# Altium PCB UZ_A_MAX11331_Daughter.PcbDoc (part 2 of 7) (continued)
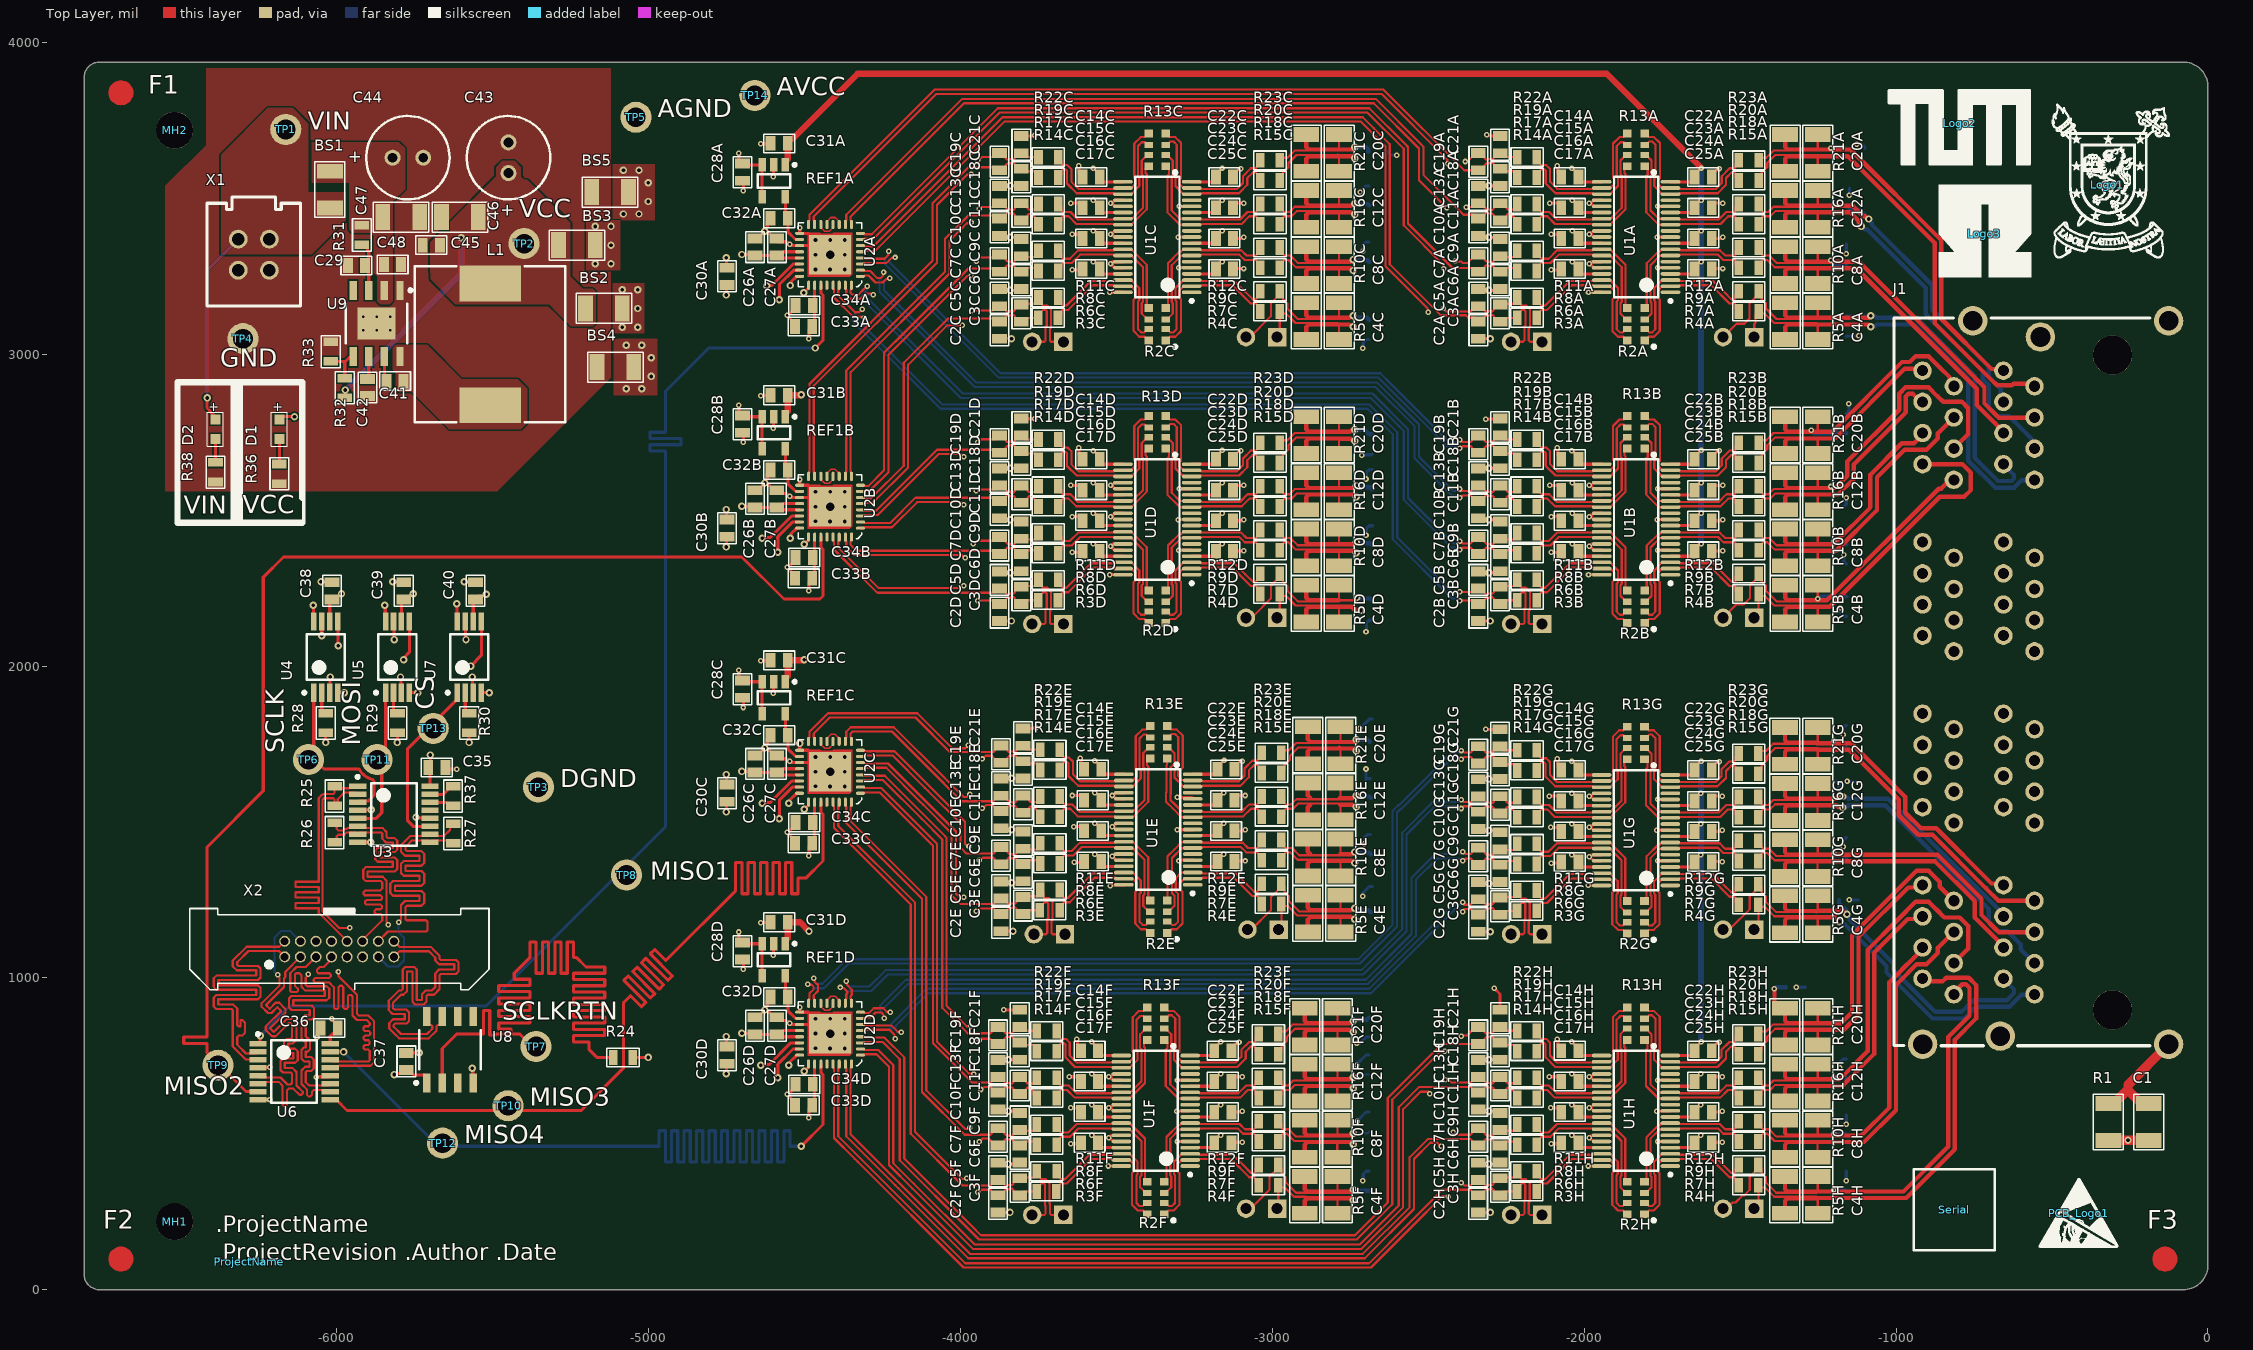
[diagram p0: Top Layer view]
## Part data
BS1 BS2 BS3 BS4 BS5: library part Bead, "6A", MPN=742792121, Package=1206, Supplier Part Number 1=732-4654-1-ND, DCR=60mOhm, I_r=3A, MF="Würth Elektronik", Supplier 1=Digikey
C1: library part Cap_1206, "Capacitor", Dielectricum=X7R, MPN=885342208017, Package=1206, Supplier Part Number 1=732-12097-1-ND, Tolerance=10%, Voltage=1000V, MF="Würth Elektronik", Supplier 1=Digikey
C2A C2B C2C C2D C2E C2F C2G C2H C5A C5B C5C C5D C5E C5F C5G C5H C6A C6B C6C C6D C6E C6F C6G C6H C9A C9B C9C C9D C9E C9F C9G C9H C10A C10B C10C C10D C10E C10F C10G C10H C13A C13B C13C C13D C13E C13F C13G C13H C18A C18B C18C C18D C18E C18F C18G C18H C21A C21B C21C C21D C21E C21F C21G C21H: library part Cap_0603, "Capacitor", Dielectricum=CG0, MPN=0603N201J500CT, Package=0603, Supplier Part Number 1=1292-1499-1-ND, Tolerance=5%, Voltage=16V, LatestRevisionDate=17-Jul-2002, LatestRevisionNote="Re-released for DXP Platform.", MF=Walsin, PackageReference=RAD-0.3, Published=8-Jun-2000, Publisher="Altium Limited", Rule=PcbType=ProtelPcb, Supplier 1=Digikey
C3A C3B C3C C3D C3E C3F C3G C3H C7A C7B C7C C7D C7E C7F C7G C7H C11A C11B C11C C11D C11E C11F C11G C11H C19A C19B C19C C19D C19E C19F C19G C19H: library part Cap_0603, "Capacitor", Dielectricum=CG0, MPN=885012006023, Package=0603, Supplier Part Number 1=732-7766-1-ND, Tolerance=5%, Voltage=16V, LatestRevisionDate=17-Jul-2002, LatestRevisionNote="Re-released for DXP Platform.", MF="Würth Elektronik", PackageReference=RAD-0.3, Published=8-Jun-2000, Publisher="Altium Limited", Rule=PcbType=ProtelPcb, Supplier 1=Digikey
C4A C4B C4C C4D C4E C4F C4G C4H C8A C8B C8C C8D C8E C8F C8G C8H C12A C12B C12C C12D C12E C12F C12G C12H C20A C20B C20C C20D C20E C20F C20G C20H: library part Cap_1206, "Capacitor", Dielectricum=X7R, MPN=C1206C104K3RACTU, Package=1206, Supplier Part Number 1=399-8140-1-ND, Tolerance=10%, Voltage=16V, MF=KEMET, Supplier 1=Digikey
C14A C14B C14C C14D C14E C14F C14G C14H C15A C15B C15C C15D C15E C15F C15G C15H C16A C16B C16C C16D C16E C16F C16G C16H C17A C17B C17C C17D C17E C17F C17G C17H C22A C22B C22C C22D C22E C22F C22G C22H C23A C23B C23C C23D C23E C23F C23G C23H C24A C24B C24C C24D C24E C24F C24G C24H C25A C25B C25C C25D C25E C25F C25G C25H C27A C27B C27C C27D C28A C28B C28C C28D C30A C30B C30C C30D C34A C34B C34C C34D C35 C36 C37 C38 C39 C40 C41 C45 C48: library part Cap_0603, "Capacitor", Dielectricum=X7R, MPN=C0603C104M5RACTU, Package=0603, Supplier Part Number 1=399-7845-1-ND, Tolerance=10%, Voltage=35V, LatestRevisionDate=17-Jul-2002, LatestRevisionNote="Re-released for DXP Platform.", MF=KEMET, PackageReference=RAD-0.3, Published=8-Jun-2000, Publisher="Altium Limited", Rule=PcbType=ProtelPcb, Supplier 1=Digikey
  C41: Supplier 2=Mouser
C26A C26B C26C C26D C33A C33B C33C C33D: library part Cap_0603, "Capacitor Ceramic", Dielectricum=X7R, MPN=JMK107ABJ106MA-T, Package=0603, Supplier Part Number 1=587-5869-1-ND, Tolerance=10%, Voltage=6.3V, MF="Tayo Yuden", Supplier 1=Digikey
C29 C42: library part Cap_0603, "Capacitor Ceramic", Dielectricum=X7R, MPN=C0603C105K3RACTU, Package=0603, Supplier Part Number 1=399-7376-1-ND, Tolerance=10%, Voltage="50 V", MF=KEMET, Supplier 1=Digikey
C31A C31B C31C C31D C32A C32B C32C C32D: library part Cap_0603, "Capacitor Ceramic", Dielectricum=X7R, MPN=885012206006, Package=0603, Supplier Part Number 1=732-7925-1-ND, Tolerance=10%, Voltage=10V, MF="Würth Elektronik", Supplier 1=Digikey
C43 C44: library part 860010573006, "WCAP-ATG8 THT Aluminum Electrolytic Capacitors, D6.3mm x L11mm, 68uF, +/-20%, 35VDC", Leakage Current=23.8uA, Operating Temperature="-40 to +85degC", Ripple Current max.=198mA, Supplier Part Number 1=732-8736-1-ND, Tolerance=+/-20%, Voltage=35V, ComponentLink1Description=Manufacturer, ComponentLink1URL=http://www.we-online.de, ComponentLink2Description=Datasheet, ComponentLink2URL=https://katalog.we-online.com/pbs/datasheet/860010573006.pdf, Diameter=6.3mm, Dissipation Factor=12%, Endurance=2000h, Length=11mm, Mounting Technology=THT, Packaging="Ammo Pack", Part Number=860010573006, Published Date="August 2019", Publisher="Wurth Elektronik", Supplier 1=Digikey, Technical Reference=ATBD110680M035DSPA4B000
C46 C47: library part Cap_1206, "Capacitor", Dielectricum=X7R, MPN=GRM319R6YA106KA12D, Package=1206, Supplier Part Number 1=490-9964-1-ND, Tolerance=10%, Voltage="35 V", Supplier 1=Digikey
D1: library part 150060VS75000, "WL-SMCW SMT Mono-color Chip LED Waterclear, size 0603, Bright Green, 2V, 140deg", Emitting Color="Bright Green", Forward Voltage typ.=2V, Operating Temperature="-40 to +85degC", Package=0603, Supplier Part Number 1=732-4980-1-ND, Chip Technology=AlInGaP, ComponentLink1Description=Manufacturer, ComponentLink1URL=http://www.we-online.de, ComponentLink2Description=Datasheet, ComponentLink2URL=https://www.we-online.com/catalog/datasheet/150060VS75000.pdf, Dominant Wavelength typ.=570nm, Luminous Intensity typ.=40mcd, MF="Wurth Elektronik", Mounting Technology=SMT, MPN=150060VS75000, Packaging="Tape and Reel", Peak Wavelength typ.=572nm, Published Date="December 2019", Size=0603, Supplier 1=Digikey, Viewing Angle=140deg
D2: library part 150060BS75000, "WL-SMCW SMT Mono-color Chip LED Waterclear, size 0603, Blue, 3.2V, 140deg", Emitting Color=Blue, Forward Voltage typ.=3.2V, Operating Temperature="-40 to +85degC", Package=0603, Supplier Part Number 1=732-4966-1-ND, Chip Technology=InGaN, ComponentLink1Description=Manufacturer, ComponentLink1URL=http://www.we-online.de, ComponentLink2Description=Datasheet, ComponentLink2URL=https://www.we-online.com/catalog/datasheet/150060BS75000.pdf, Dominant Wavelength typ.=470nm, Luminous Intensity typ.=145mcd, MF="Wurth Elektronik", Mounting Technology=SMT, MPN=150060BS75000, Packaging="Tape and Reel", Peak Wavelength typ.=465nm, Published Date="December 2019", Size=0603, Supplier 1=Digikey, Viewing Angle=140deg
F1 F2 F3: "Fiducial for Assembler"
J1: Manufacturer Part-Number=1-1734715-2, Supplier Part Number 1=A118195-ND, Digikey Part-Number=A118195-ND, MF="TE Connectivity", MPN=1-1734715-2, Supplier 1=Digikey
L1: library part B82464G4154M, "SMT power Inductor, 15uH, 40m DRC", Manufacturer=Murata, Rated Current="3.7 A", Supplier Part Number 1=811-3837-1-ND, DCR=40m, Supplier 1=Digikey, Supplier 2=Mouser
P1A P1B P1C P1D P1E P1F P1G P1H P2A P2B P2C P2D P2E P2F P2G P2H: library part "Header 2", "Header, 2-Pin", LatestRevisionDate=17-Jul-2002, LatestRevisionNote="Re-released for DXP Platform.", Publisher="Altium Limited"
PCB_Logo1: library part LOGO_ESD_Susceptible, "ESD Susceptible Symbol", Created=2018_11_25_AGeiger
ProjectName: "Project Name and Revision Number", Created=2018_11_23_AGeiger
R1: library part Res1206, "Resistor", MPN=RC1206FR-071ML, Package=1206, Supplier Part Number 1=311-1.00MFRCT-ND, Tolerance=1%, MF=Yageo, Supplier 1=Digikey
R2A R2B R2C R2D R2E R2F R2G R2H R13A R13B R13C R13D R13E R13F R13G R13H: library part "ResArray 1206", "Chip Resistor Array 0606, 4xR", MPN=ACASA1002S1002P100, Supplier Part Number 1=749-1023-1-ND, Created=Kreppel_0420, MF=Vishay, Supplier 1=Digikey
R3A R3B R3C R3D R3E R3F R3G R3H R6A R6B R6C R6D R6E R6F R6G R6H R8A R8B R8C R8D R8E R8F R8G R8H R11A R11B R11C R11D R11E R11F R11G R11H R14A R14B R14C R14D R14E R14F R14G R14H R17A R17B R17C R17D R17E R17F R17G R17H R19A R19B R19C R19D R19E R19F R19G R19H R22A R22B R22C R22D R22E R22F R22G R22H: library part Res0603, MPN=ERA-3AEB48R7V, Package=0603, Supplier Part Number 1=P48.7DBCT-ND, Tolerance=0.1%, LatestRevisionDate=17-Jul-2002, LatestRevisionNote="Re-released for DXP Platform.", MF=Panasonic, PackageDescription="Axial Device, Thru-Hole; 2 Leads; 0.3 in Pin Spacing", PackageReference=AXIAL-0.3, Published=8-Jun-2000, Publisher="Altium Limited", Supplier 1=Digikey
R4A R4B R4C R4D R4E R4F R4G R4H R7A R7B R7C R7D R7E R7F R7G R7H R9A R9B R9C R9D R9E R9F R9G R9H R12A R12B R12C R12D R12E R12F R12G R12H R15A R15B R15C R15D R15E R15F R15G R15H R18A R18B R18C R18D R18E R18F R18G R18H R20A R20B R20C R20D R20E R20F R20G R20H R23A R23B R23C R23D R23E R23F R23G R23H: library part Res0603, MPN=ERJ-PB3B2432V, Package=0603, Supplier Part Number 1=P20128CT-ND, Tolerance=0.1%, LatestRevisionDate=17-Jul-2002, LatestRevisionNote="Re-released for DXP Platform.", MF=Panasonic, PackageDescription="Axial Device, Thru-Hole; 2 Leads; 0.3 in Pin Spacing", PackageReference=AXIAL-0.3, Published=8-Jun-2000, Publisher="Altium Limited", Supplier 1=Digikey
R5A R5B R5C R5D R5E R5F R5G R5H R10A R10B R10C R10D R10E R10F R10G R10H R16A R16B R16C R16D R16E R16F R16G R16H R21A R21B R21C R21D R21E R21F R21G R21H: library part "Res Semi", "Limiter Resistor", MPN=RC1206FR-07160RL, Package=1206, Supplier Part Number 1=311-160FRCT-ND, Tolerance=0.1%, LatestRevisionDate=17-Jul-2002, LatestRevisionNote="Re-released for DXP Platform.", MF=Yageo, PackageDescription="Axial Device, Thru-Hole; 2 Leads; 0.5 in Pin Spacing", PackageReference=AXIAL-0.5, Published=8-Jun-2000, Publisher="Altium Limited", Supplier 1=Digikey
R24: library part Res0603, Package=0603, Supplier Part Number 1=311-0.0GRCT-ND, Tolerance=1%, LatestRevisionDate=17-Jul-2002, LatestRevisionNote="Re-released for DXP Platform.", PackageDescription="Axial Device, Thru-Hole; 2 Leads; 0.3 in Pin Spacing", PackageReference=AXIAL-0.3, Published=8-Jun-2000, Publisher="Altium Limited", Supplier 1=Digikey
R25 R26 R27 R37: library part Res0603, MPN=RC0603FR-07100RL, Package=0603, Supplier Part Number 1=311-100HRCT-ND, Tolerance=1%, LatestRevisionDate=17-Jul-2002, LatestRevisionNote="Re-released for DXP Platform.", MF=Yageo, PackageDescription="Axial Device, Thru-Hole; 2 Leads; 0.3 in Pin Spacing", PackageReference=AXIAL-0.3, Published=8-Jun-2000, Publisher="Altium Limited", Supplier 1=Digikey
R28 R29 R30: library part Res0603, MPN=RC0603FR-0710KL, Package=0603, Supplier Part Number 1=311-10.0KHRCT-ND, Tolerance=1%, LatestRevisionDate=17-Jul-2002, LatestRevisionNote="Re-released for DXP Platform.", MF=Yageo, PackageDescription="Axial Device, Thru-Hole; 2 Leads; 0.3 in Pin Spacing", PackageReference=AXIAL-0.3, Published=8-Jun-2000, Publisher="Altium Limited", Supplier 1=Digikey
  R29 R30: Digikey Part-Number=311-10.0KHRCT-ND
R31: library part Res0603, MPN=RC0603FR-072M2L, Package=0603, Supplier Part Number 1=YAG3329CT-ND, Tolerance=1%, LatestRevisionDate=17-Jul-2002, LatestRevisionNote="Re-released for DXP Platform.", MF=Yageo, PackageDescription="Axial Device, Thru-Hole; 2 Leads; 0.3 in Pin Spacing", PackageReference=AXIAL-0.3, Published=8-Jun-2000, Publisher="Altium Limited", Supplier 1=Digikey
R32: library part Res0603, MPN=RC0603FR-07100KL, Package=0603, Supplier Part Number 1=311-100KHRCT-ND, Tolerance=1%, LatestRevisionDate=17-Jul-2002, LatestRevisionNote="Re-released for DXP Platform.", MF=Yageo, PackageDescription="Axial Device, Thru-Hole; 2 Leads; 0.3 in Pin Spacing", PackageReference=AXIAL-0.3, Published=8-Jun-2000, Publisher="Altium Limited", Supplier 1=Digikey
R33: library part Res0603, Package=0603, Supplier Part Number 1=311-38.3KHRCT-ND, Tolerance=1%, LatestRevisionDate=17-Jul-2002, LatestRevisionNote="Re-released for DXP Platform.", PackageDescription="Axial Device, Thru-Hole; 2 Leads; 0.3 in Pin Spacing", PackageReference=AXIAL-0.3, Published=8-Jun-2000, Publisher="Altium Limited", Supplier 1=Digikey, Supplier 2=Mouser
R36: library part Res0603, Manufacturer Part-Number=RC0603JR-07220RL, Package=0603, Supplier Part Number 1=311-220GRCT-ND, Tolerance=1%, LatestRevisionDate=17-Jul-2002, LatestRevisionNote="Re-released for DXP Platform.", PackageDescription="Axial Device, Thru-Hole; 2 Leads; 0.3 in Pin Spacing", PackageReference=AXIAL-0.3, Published=8-Jun-2000, Publisher="Altium Limited", Supplier 1=Digikey, Supplier 2=Mouser
R38: library part Res0603, MPN=RC0603FR-07330RL, Package=0603, Supplier Part Number 1=311-330HRCT-ND, Tolerance=1%, LatestRevisionDate=17-Jul-2002, LatestRevisionNote="Re-released for DXP Platform.", MF=Yageo, PackageDescription="Axial Device, Thru-Hole; 2 Leads; 0.3 in Pin Spacing", PackageReference=AXIAL-0.3, Published=8-Jun-2000, Publisher="Altium Limited", Supplier 1=Digikey
R39A R39B R39C R39D R39E R39F R39G R39H R40A R40B R40C R40D R40E R40F R40G R40H R41A R41B R41C R41D R41E R41F R41G R41H R42A R42B R42C R42D R42E R42F R42G R42H: library part Res0603, MPN=RC0603JR-070RL, Package=0603, Supplier Part Number 1=311-0.0GRCT-ND, Tolerance=1%, LatestRevisionDate=17-Jul-2002, LatestRevisionNote="Re-released for DXP Platform.", MF=Yageo, PackageDescription="Axial Device, Thru-Hole; 2 Leads; 0.3 in Pin Spacing", PackageReference=AXIAL-0.3, Published=8-Jun-2000, Publisher="Altium Limited", Supplier 1=Digikey, Supplier 2=Mouser
REF1A REF1B REF1C REF1D: MPN=REF2033AIDDCT, Supplier Part Number 1=296-40487-1-ND, MF="Texas Instruments", Supplier 1=Digikey
TP1 TP2 TP3 TP4 TP5 TP6 TP7 TP8 TP9 TP10 TP11 TP12 TP13 TP14: library part TP, "1.6mm Test Point Keystone", MPN=5006, Supplier Part Number 1=36-5006-ND, Created=2020_04_Kreppel, MF="Keystone Electronics", Supplier 1=Digikey
U1A U1B U1C U1D U1E U1F U1G U1H: library part THS4524_1, "Quad Channel fully differential Amplilfier", Package=TSSOP-38, Supplier Part Number 1=296-24315-1-ND, Created=20190720_Kreppel, MF="Texas Instruments", MPN=THS4524, Supplier 1=Digikey
U2A U2B U2C U2D: "ADC 12 bits SPI", MPN=MAX11331ATJ+, Supplier Part Number 1=MAX11331ATJ+-ND, MF="Maximm Integrated", Supplier 1=Digikey
U3: library part ADN4666, "3V, LVDS, quad, CMOS Differential Line Receiver", MPN=ADN4666ARUZ, Supplier Part Number 1=ADN4666ARUZ-ND, Created=2020_05_Kreppel, MF="Analog Devices", Supplier 1=Digikey
U4 U5 U7: library part CDCV304, "1:4 200MHz LVCMOS clock buffer, general-purpose, PCI-X Compliant", MPN=CDCV304PWRG4, Supplier Part Number 1=296-35899-1-ND, Created=2020_05_Kreppel, MF="Texas Instruments", Supplier 1=Digikey
U6: library part ADN4665, "3V, LVDS, Quad, CMOS Differential Line Driver", MPN=ADN4665ARUZ, Supplier Part Number 1=ADN4665ARUZ-ND, Created=2020_05_Kreppel, MF="Analog Devices", Supplier 1=Digikey
U8: library part ADN4661, "Single, 3V, CMOS, LVDS High Speed differential driver", MPN=ADN4661BRZ, Supplier Part Number 1=ADN4661BRZ-ND, Created=2020_05_Kreppel, MF="Analog Devices", Supplier 1=Digikey
U9: library part LMR33620A, "3.8V to 36V, 2A synchronous step-down converter", Manufacturer="Texas Instruments", Manufacturer Part-Number=LMR33620ADDA, Supplier Part Number 1=296-48841-ND, Switching frequency=400kHz, Created="4/20 Kreppel", Supplier 1=Digikey, Supplier 2=Mouser
X1: library part IPL1-102-XX-X-D-X, "2.54mm Double Row Terminal Assembly, Right-Angled", Manufacturer=SAMTEC, Supplier Part Number 1=SAM10565-ND, Created=2018_05_02_AGeiger, MF=Samtec, MPN=IPL1-102-01-L-D-K, Supplier 1=Digikey
X2: library part EHF-108-01-F-D, "Dual Row, 2x8 Shrouded IDC Header with Ejectors 50 mil pitch", Supplier Part Number 1=SAM9265-ND, Created=2020_05_Kreppel, MF=Samtec, MPN=EHF-108-01-F-D, Supplier 1=Digikey
Serial: Created=2018_09_18_AGeiger

## Via types
v1: diameter 17.72, hole 7.87, Top Layer to Bottom Layer, tented both sides, 359 vias
v2: diameter 23.62, hole 11.81, Top Layer to Bottom Layer, tented both sides, 171 vias
v3: diameter 27.56, hole 11.81, Top Layer to Bottom Layer, tented bottom, 32 vias
v4: diameter 19.68, hole 7.87, Top Layer to Bottom Layer, tented bottom, 6 vias
v5: diameter 51.18, hole 27.56, Top Layer to Bottom Layer, 4 vias

## Nets (pads, with @x,y where several pads share a name; then routed paths per layer and width w, separated by ;. In a path a pad name is that pad's centre, name@x,y a point inside that pad or via, vN(x,y) a via of type N, cw(c..) or ccw(c..) an arc to the next point about the centre after c; other vN are vias at no path point)
ADC_IN1A_N: C18A.2 C19A.1 R19A.1 U2A.16 | length 2614.9
  Top Layer w7: U2A.16@-4487.76,3416.34 -4487.76,3426.95 -4484.92,3429.79 -4484.92,3447.4 -4083.32,3849 -2644.2,3849 -2385.08,3589.88 C19A.1@-2339.81,3589.88 -2331.94,3589.88 -2319.69,3602.13 -2319.69,3606.34 -2315.59,3610.44 -2314.63,3610.44 -2312.63,3612.44 -2305.23,3612.44 -2303.93,3613.74 -2294.03,3613.74 -2289.93,3609.64 -2289.93,3607.17 -2277.68,3594.92 C18A.2@-2269.81,3594.92 -2262.06,3587.17 -2225.09,3587.17 -2214.81,3576.89 R19A.1@-2214.81,3567.05
ADC_IN1A_P: C19A.2 C21A.1 R22A.1 U2A.15 | length 2584.8
  Top Layer w7: U2A.15@-4468.08,3416.34 -4468.08,3426.95 -4470.92,3429.79 -4470.92,3441.6 -4077.52,3835 -2650,3835 -2439.19,3624.19 -2439.19,3612.37 v1(-2438.41,3611.59) ; v1(-2381.79,3618.21) -2379.74,3620.26 -2372.42,3620.26 -2347.68,3645 C19A.2@-2339.81,3645 -2331.94,3645 -2319.69,3632.75 -2319.69,3628.54 -2315.59,3624.44 -2310.2,3624.44 -2308.9,3625.74 -2294.03,3625.74 -2289.93,3629.84 -2289.93,3632.32 -2277.68,3644.57 C21A.1@-2269.81,3644.57 -2257.56,3632.32 -2215.08,3632.32 R22A.1@-2214.81,3632.05
  Signal 1 w7: v1(-2438.41,3611.59) -2435.51,3611.59 -2428.89,3618.21 v1(-2381.79,3618.21)
ADC_IN1B_N: C18B.2 C19B.1 R19B.1 U2A.4 | length 2482.5
  Top Layer w7: U2A.4@-4321.42,3309.06 -4310.81,3309.06 -4307.97,3306.21 -4244.09,3306.21 -4232.05,3318.25 -4232.05,3327.95 v1(-4230,3330) ; v1@-2402.05,2700.12 v1(-2400,2698.07) -2397.1,2698.07 -2390.24,2704.93 -2364.03,2704.93 -2359.93,2700.83 -2359.93,2696.62 -2347.68,2684.37 C19B.1@-2339.81,2684.37 -2331.94,2684.37 -2319.69,2696.62 -2319.69,2700.83 -2315.59,2704.93 -2314.63,2704.93 -2312.63,2706.93 -2305.23,2706.93 -2303.93,2708.23 -2294.03,2708.23 -2289.93,2704.13 -2289.93,2701.66 -2277.68,2689.41 C18B.2@-2269.81,2689.41 -2262.06,2681.66 -2225.09,2681.66 -2214.81,2671.38 R19B.1@-2214.81,2661.54
  Bottom Layer w7: v1(-4230,3330) -4232.05,3327.95 -4232.05,3318.25 -4242.94,3307.36 -4242.94,3289.96 -3877.97,2925 -2659.8,2925 -2439.73,2704.93 -2409.76,2704.93 -2402.9,2698.07 v1(-2400,2698.07)
ADC_IN1B_P: C19B.2 C21B.1 R22B.1 U2A.3 | length 2443.4
  Top Layer w7: U2A.3@-4321.42,3289.37 -4310.81,3289.37 -4307.97,3292.21 -4238.29,3292.21 -4222.15,3308.35 -4212.45,3308.35 v1(-4210.4,3310.4) ; v1(-2400,2725.79) -2397.1,2725.79 -2390.24,2718.93 -2364.03,2718.93 -2359.93,2723.03 -2359.93,2727.24 -2347.68,2739.49 C19B.2@-2339.81,2739.49 -2331.94,2739.49 -2319.69,2727.24 -2319.69,2723.03 -2315.59,2718.93 -2310.2,2718.93 -2308.9,2720.23 -2294.03,2720.23 -2289.93,2724.33 -2289.93,2726.81 -2277.68,2739.06 C21B.1@-2269.81,2739.06 -2257.56,2726.81 -2215.08,2726.81 R22B.1@-2214.81,2726.54
  Bottom Layer w7: v1(-4210.4,3310.4) -4212.45,3308.35 -4222.15,3308.35 -4228.94,3301.56 -4228.94,3295.76 -3872.18,2939 -2654,2939 -2619.95,2904.95 -2615,2900 -2433.93,2718.93 -2409.76,2718.93 -2402.9,2725.79 v1(-2400,2725.79)
ADC_IN1C_N: C18C.2 C19C.1 R19C.1 U2B.16 | length 1463.2
  Top Layer w7: U2B.16@-4487.76,2608.54 -4487.76,2619.16 -4484.92,2622 -4484.92,2904.88 -4090,3299.8 -4090,3484.8 -3974.8,3600 -3857.25,3600 -3855.12,3602.13 -3855.12,3606.34 -3851.02,3610.44 -3850.06,3610.44 -3848.06,3612.44 -3840.67,3612.44 -3839.36,3613.74 -3829.46,3613.74 -3825.36,3609.64 -3825.36,3607.17 -3813.12,3594.92 C18C.2@-3805.24,3594.92 -3797.49,3587.17 -3760.52,3587.17 -3750.24,3576.89 R19C.1@-3750.24,3567.05
ADC_IN1C_P: C19C.2 C21C.1 R22C.1 U2B.15 | length 1469.9
  Top Layer w7: U2B.15@-4468.08,2608.54 -4468.08,2619.16 -4470.92,2622 -4470.92,2899.08 -4076,3294 -4076,3479 -3979.41,3575.59 -3967.59,3575.59 v1(-3965.54,3577.64) ; v1(-3945,3622.36) -3942.1,3622.36 -3931.71,3632.75 -3887.49,3632.75 C19C.2@-3875.24,3645 -3867.37,3645 -3855.12,3632.75 -3855.12,3628.54 -3851.02,3624.44 -3845.64,3624.44 -3844.33,3625.74 -3829.46,3625.74 -3825.36,3629.84 -3825.36,3632.32 -3813.12,3644.57 C21C.1@-3805.24,3644.57 -3792.99,3632.32 -3750.51,3632.32 R22C.1@-3750.24,3632.05
  Signal 1 w7: v1(-3965.54,3577.64) -3965.54,3601.82 v1(-3945,3622.36)
ADC_IN1D_N: C18D.2 C19D.1 R19D.1 U2B.4 | length 696.3
  Top Layer w7: U2B.4@-4321.42,2501.26 -4310.81,2501.26 -4307.97,2498.42 -4271.58,2498.42 -4076,2694 -3884.87,2694 C19D.1@-3875.24,2684.37 -3867.37,2684.37 -3855.12,2696.62 -3855.12,2700.83 -3851.02,2704.93 -3850.06,2704.93 -3848.06,2706.93 -3840.67,2706.93 -3839.36,2708.23 -3829.46,2708.23 -3825.36,2704.13 -3825.36,2701.66 -3813.12,2689.41 C18D.2@-3805.24,2689.41 -3797.49,2681.66 -3760.52,2681.66 -3750.24,2671.38 R19D.1@-3750.24,2661.54
ADC_IN1D_P: C19D.2 C21D.1 R22D.1 U2B.3 | length 711.8
  Top Layer w7: U2B.3@-4321.42,2481.57 -4310.81,2481.57 -4307.97,2484.42 -4265.78,2484.42 -4070.2,2680 -4000,2680 -3991.64,2671.64 v1(-3990,2671.64) ; v1(-3944.61,2718.57) -3941.71,2718.57 -3933.05,2727.24 -3887.49,2727.24 C19D.2@-3875.24,2739.49 -3867.37,2739.49 -3855.12,2727.24 -3855.12,2723.03 -3851.02,2718.93 -3845.64,2718.93 -3844.33,2720.23 -3829.46,2720.23 -3825.36,2724.33 -3825.36,2726.81 -3813.12,2739.06 C21D.1@-3805.24,2739.06 -3792.99,2726.81 -3750.51,2726.81 R22D.1@-3750.24,2726.54
  Signal 1 w7: v1(-3990,2671.64) -3990,2673.19 v1(-3944.61,2718.57)
ADC_IN1E_N: C18E.2 C19E.1 R19E.1 U2C.16 | length 918.5
  Top Layer w7: U2C.16@-4487.76,1758.54 -4487.76,1769.15 -4484.92,1772 -4484.92,1789.61 -4425.53,1849 -4139.2,1849 -4026.64,1736.44 -3985.36,1736.44 v1(-3975,1746.8) ; v1(-3930,1702.08) -3919.64,1712.44 -3900.67,1712.44 -3878.11,1689.88 -3862.36,1689.88 -3850.11,1702.13 -3850.11,1706.34 -3846.01,1710.44 -3845.05,1710.44 -3843.05,1712.44 -3835.66,1712.44 -3834.36,1713.74 -3824.46,1713.74 -3820.36,1709.64 -3820.36,1707.17 -3808.11,1694.92 C18E.2@-3800.23,1694.92 -3792.48,1687.17 -3755.51,1687.17 -3745.23,1676.89 R19E.1@-3745.23,1667.05
  Signal 1 w7: v1(-3975,1746.8) -3974.86,1746.8 -3930.14,1702.08 v1(-3930,1702.08)
ADC_IN1E_P: C19E.2 C21E.1 R22E.1 U2C.15 | length 856.1
  Top Layer w7: U2C.15@-4468.08,1758.54 -4468.08,1769.15 -4470.92,1772 -4470.92,1783.81 -4419.73,1835 -4145,1835 -4034.44,1724.44 -3894.46,1724.44 -3890.36,1728.54 -3890.36,1732.75 -3878.11,1745 C19E.2@-3870.23,1745 -3862.36,1745 -3850.11,1732.75 -3850.11,1728.54 -3846.01,1724.44 -3840.63,1724.44 -3839.33,1725.74 -3824.46,1725.74 -3820.36,1729.84 -3820.36,1732.32 -3808.11,1744.57 C21E.1@-3800.23,1744.57 -3787.99,1732.32 -3745.51,1732.32 R22E.1@-3745.23,1732.05
ADC_IN1F_N: C18F.2 C19F.1 R19F.1 U2C.4 | length 1292.8
  Top Layer w7: U2C.4@-4321.42,1651.26 -4310.81,1651.26 -4307.97,1648.42 -4243.62,1648.42 -4049.1,1453.9 -4045,1449.8 -4045,909.8 -3980.2,845 -3968.38,845 v1(-3968.13,844.75) ; v1(-3940,800.04) -3937.1,800.04 -3932.14,805 -3905.32,805 -3888.16,787.84 -3872.41,787.84 -3860.16,800.08 -3860.16,804.29 -3856.06,808.39 -3855.1,808.39 -3853.1,810.39 -3845.71,810.39 -3844.4,811.7 -3834.5,811.7 -3830.4,807.6 -3830.4,805.12 -3818.16,792.87 C18F.2@-3810.28,792.87 -3802.53,785.12 -3765.56,785.12 -3755.28,774.84 R19F.1@-3755.28,765
  Signal 1 w7: v1(-3968.13,844.75) -3942.05,818.67 -3942.05,802.09 v1(-3940,800.04)
ADC_IN1F_P: C19F.2 C21F.1 R22F.1 U2C.3 | length 1256.9
  Top Layer w7: U2C.3@-4321.42,1631.57 -4310.81,1631.57 -4307.97,1634.42 -4249.42,1634.42 -4125,1510 -4059,1444 -4059,904 -3977.39,822.39 -3904.5,822.39 -3900.4,826.49 -3900.4,830.7 -3888.16,842.95 C19F.2@-3880.28,842.95 -3872.41,842.95 -3860.16,830.7 -3860.16,826.49 -3856.06,822.39 -3850.68,822.39 -3849.37,823.7 -3834.5,823.7 -3830.4,827.8 -3830.4,830.27 -3818.16,842.52 C21F.1@-3810.28,842.52 -3798.03,830.27 -3755.55,830.27 R22F.1@-3755.28,830
ADC_IN1G_N: C18G.2 C19G.1 R19G.1 U2D.16 | length 2938.6
  Top Layer w7: v1(-4490,980) -4487.95,977.95 -4478.25,977.95 -4471.46,971.16 -4471.46,963.78 -4484.92,950.32 -4484.92,932 -4487.76,929.15 U2D.16@-4487.76,918.54 ; v1(-2395,1701.54) -2392.1,1701.54 -2385.24,1708.39 -2364.5,1708.39 -2360.4,1704.29 -2360.4,1700.08 -2348.16,1687.84 C19G.1@-2340.28,1687.84 -2332.41,1687.84 -2320.16,1700.08 -2320.16,1704.29 -2316.06,1708.39 -2315.1,1708.39 -2313.1,1710.39 -2305.71,1710.39 -2304.4,1711.7 -2294.5,1711.7 -2290.4,1707.6 -2290.4,1705.12 -2278.16,1692.87 C18G.2@-2270.28,1692.87 -2262.53,1685.12 -2225.56,1685.12 -2215.28,1674.84 R19G.1@-2215.28,1665
  Bottom Layer w7: v1(-4490,980) -4487.95,977.95 -4478.25,977.95 -4467.36,967.06 -4438.14,967.06 -4359.2,1046 -2719,1046 -2600.5,1164.5 -2600.5,1530.4 -2590.9,1540 -2588.16,1540 -2419.76,1708.39 -2404.76,1708.39 -2397.9,1701.54 v1(-2395,1701.54)
ADC_IN1G_P: C19G.2 C21G.1 R22G.1 U2D.15 | length 2925.7
  Top Layer w7: v1(-4470.4,999.6) -4468.35,997.55 -4468.35,987.85 -4457.46,976.96 -4457.46,957.98 -4470.92,944.52 -4470.92,932 -4468.08,929.15 U2D.15@-4468.08,918.54 ; v1(-2395,1729.25) -2392.1,1729.25 -2385.24,1722.39 -2364.5,1722.39 -2360.4,1726.49 -2360.4,1730.7 -2348.16,1742.95 C19G.2@-2340.28,1742.95 -2332.41,1742.95 -2320.16,1730.7 -2320.16,1726.49 -2316.06,1722.39 -2310.68,1722.39 -2309.37,1723.7 -2294.5,1723.7 -2290.4,1727.8 -2290.4,1730.27 -2278.16,1742.52 C21G.1@-2270.28,1742.52 -2258.03,1730.27 -2215.55,1730.27 R22G.1@-2215.28,1730
  Bottom Layer w7: v1(-4470.4,999.6) -4468.35,997.55 -4468.35,987.85 -4461.56,981.06 -4443.94,981.06 -4365,1060 -2724.8,1060 -2614.5,1170.3 -2614.5,1536.2 -2596.7,1554 -2593.95,1554 -2425.56,1722.39 -2404.76,1722.39 -2397.9,1729.25 v1(-2395,1729.25)
ADC_IN1H_N: C18H.2 C19H.1 R19H.1 U2D.4 | length 3048.6
  Top Layer w7: U2D.4@-4321.42,811.26 -4310.81,811.26 -4307.97,808.42 -4244.2,808.42 -4181,745.22 -4181,421 -3965,205 -3935,175 -2735,175 -2630,280 -2630,615 -2457.16,787.84 C19H.1@-2340.28,787.84 -2332.41,787.84 -2320.16,800.08 -2320.16,804.29 -2316.06,808.39 -2315.1,808.39 -2313.1,810.39 -2305.71,810.39 -2304.4,811.7 -2294.5,811.7 -2290.4,807.6 -2290.4,805.12 -2278.16,792.87 C18H.2@-2270.28,792.87 -2262.53,785.12 -2225.56,785.12 -2215.28,774.84 R19H.1@-2215.28,765
ADC_IN1H_P: C19H.2 C21H.1 R22H.1 U2D.3 | length 3064.3
  Top Layer w7: U2D.3@-4321.42,791.57 -4310.81,791.57 -4307.97,794.42 -4250,794.42 -4195,739.42 -4195,415.2 -3969.95,190.15 -3940.8,161 -2729.2,161 -2616,274.2 -2616,609.2 -2461.77,763.43 -2449.95,763.43 v1(-2447.9,765.48) ; v1(-2395,813.14) -2392.95,815.19 -2375.92,815.19 -2348.16,842.95 C19H.2@-2340.28,842.95 -2332.41,842.95 -2320.16,830.7 -2320.16,826.49 -2316.06,822.39 -2310.68,822.39 -2309.37,823.7 -2294.5,823.7 -2290.4,827.8 -2290.4,830.27 -2278.16,842.52 C21H.1@-2270.28,842.52 -2258.03,830.27 -2215.55,830.27 R22H.1@-2215.28,830
  Signal 1 w7: v1(-2447.9,765.48) -2402.29,811.09 -2397.05,811.09 v1(-2395,813.14)
ADC_IN2A_N: C10A.2 C11A.1 R14A.1 U2A.10 | length 2601.7
  Top Layer w7: U2A.10@-4369.65,3416.34 -4369.65,3426.95 -4366.81,3429.79 -4366.81,3447.4 -3995.21,3819 -2669.2,3819 -2525.1,3674.9 -2516,3665.8 -2516,3576 -2387.17,3447.17 -2352.06,3447.17 C10A.2@-2339.81,3434.92 -2331.94,3434.92 -2319.69,3447.17 -2319.69,3448.45 -2315.59,3452.55 -2310.44,3452.55 -2308.9,3451.01 -2294.03,3451.01 -2289.93,3446.91 -2289.93,3441.7 -2277.68,3429.45 C11A.1@-2269.81,3429.45 -2261.93,3429.45 -2249.69,3441.7 -2249.69,3445.91 -2245.59,3450.01 -2236.65,3450.01 -2225.09,3438.45 -2225.09,3427.33 R14A.1@-2214.81,3417.05
ADC_IN2A_P: C11A.2 C13A.1 R17A.1 U2A.9 | length 2564.3
  Top Layer w7: U2A.9@-4349.97,3416.34 -4349.97,3426.95 -4352.81,3429.79 -4352.81,3441.6 -3989.41,3805 -2675,3805 -2530,3660 -2530,3558.38 v1(-2440.81,3469.19) ; v1(-2379.19,3470.81) -2378.07,3471.93 -2352.06,3471.93 C13A.1@-2339.81,3484.17 -2331.94,3484.17 -2319.69,3471.93 -2319.69,3470.65 -2315.59,3466.55 -2314.63,3466.55 -2312.63,3464.55 -2305.47,3464.55 -2303.93,3463.01 -2294.03,3463.01 -2289.93,3467.11 -2289.93,3472.32 -2277.68,3484.57 C11A.2@-2269.81,3484.57 -2261.93,3484.57 -2249.69,3472.32 -2249.69,3468.11 -2245.59,3464.01 -2225.09,3464.01 -2214.81,3474.29 R17A.1@-2214.81,3482.05
  Signal 1 w7: v1(-2440.81,3469.19) -2440,3470 -2380,3470 v1(-2379.19,3470.81)
ADC_IN2B_N: C10B.2 C11B.1 R14B.1 U2A.2 | length 2607.8
  Top Layer w7: U2A.2@-4321.42,3269.68 -4310.81,3269.68 -4307.97,3266.84 -4289.64,3266.84 -4266.97,3244.16 -4256.14,3244.16 -4249.35,3250.95 -4249.35,3260.65 v1(-4247.3,3262.7) ; v1(-2400,2540.18) -2397.1,2540.18 -2390.24,2547.04 -2364.03,2547.04 -2359.93,2542.93 -2359.93,2541.66 -2347.68,2529.41 C10B.2@-2339.81,2529.41 -2331.94,2529.41 -2319.69,2541.66 -2319.69,2542.93 -2315.59,2547.04 -2310.44,2547.04 -2308.9,2545.5 -2294.03,2545.5 -2289.93,2541.4 -2289.93,2536.19 -2277.68,2523.94 C11B.1@-2269.81,2523.94 -2261.93,2523.94 -2249.69,2536.19 -2249.69,2540.4 -2245.59,2544.5 -2236.65,2544.5 -2225.09,2532.93 -2225.09,2521.82 R14B.1@-2214.81,2511.54
  Bottom Layer w7: v1(-4247.3,3262.7) -4249.35,3260.65 -4249.35,3250.95 -4260.24,3240.06 -4260.24,3200.24 -3955.05,2895.05 -2670.05,2895.05 -2660,2885 -2544,2769 -2544,2665.88 -2425.16,2547.04 -2409.76,2547.04 -2402.9,2540.18 v1(-2400,2540.18)
ADC_IN2B_P: C11B.2 C13B.1 R17B.1 U2A.1 | length 2577.3
  Top Layer w7: U2A.1@-4321.42,3250 -4310.81,3250 -4307.97,3252.84 -4295.44,3252.84 -4272.76,3230.16 -4250.34,3230.16 -4239.45,3241.05 -4229.75,3241.05 v1(-4227.7,3243.1) ; v1(-2400,2567.89) -2397.1,2567.89 -2390.24,2561.04 -2364.03,2561.04 -2359.93,2565.14 -2359.93,2566.41 -2347.68,2578.66 C13B.1@-2339.81,2578.66 -2331.94,2578.66 -2319.69,2566.41 -2319.69,2565.14 -2315.59,2561.04 -2314.63,2561.04 -2312.63,2559.04 -2305.47,2559.04 -2303.93,2557.5 -2294.03,2557.5 -2289.93,2561.6 -2289.93,2566.81 -2277.68,2579.06 C11B.2@-2269.81,2579.06 -2261.93,2579.06 -2249.69,2566.81 -2249.69,2562.6 -2245.59,2558.5 -2225.09,2558.5 -2214.81,2568.78 R17B.1@-2214.81,2576.54
  Bottom Layer w7: v1(-4227.7,3243.1) -4229.75,3241.05 -4239.45,3241.05 -4246.24,3234.27 -4246.24,3206.04 -3949.25,2909.05 -2664.25,2909.05 -2530,2774.8 -2530,2671.68 -2419.36,2561.04 -2409.76,2561.04 -2402.9,2567.89 v1(-2400,2567.89)
ADC_IN2C_N: C10C.2 C11C.1 R14C.1 U2B.10 | length 1280.7
  Top Layer w7: U2B.10@-4369.65,2608.54 -4369.65,2619.16 -4366.81,2622 -4366.81,2947.99 -4049.9,3264.9 -4049.9,3370.1 -3975,3445 -3885.32,3445 C10C.2@-3875.24,3434.92 -3867.37,3434.92 -3855.12,3447.17 -3855.12,3448.45 -3851.02,3452.55 -3845.87,3452.55 -3844.33,3451.01 -3829.46,3451.01 -3825.36,3446.91 -3825.36,3441.7 -3813.12,3429.45 C11C.1@-3805.24,3429.45 -3797.37,3429.45 -3785.12,3441.7 -3785.12,3445.91 -3781.02,3450.01 -3772.08,3450.01 -3760.52,3438.45 -3760.52,3427.33 R14C.1@-3750.24,3417.05
ADC_IN2C_P: C11C.2 C13C.1 R17C.1 U2B.9 | length 1279.1
  Top Layer w7: U2B.9@-4349.97,2608.54 -4349.97,2619.16 -4352.81,2622 -4352.81,2942.19 -4035.9,3259.1 -4035.9,3364.3 -4000.1,3400.1 -3999.9,3400.1 -3980,3420 -3975.2,3420 -3974.61,3420.59 -3967.79,3420.59 v1(-3965.74,3422.64) ; v1(-3940,3467.36) -3937.1,3467.36 -3932.53,3471.93 -3887.49,3471.93 C13C.1@-3875.24,3484.17 -3867.37,3484.17 -3855.12,3471.93 -3855.12,3470.65 -3851.02,3466.55 -3850.06,3466.55 -3848.06,3464.55 -3840.9,3464.55 -3839.36,3463.01 -3829.46,3463.01 -3825.36,3467.11 -3825.36,3472.32 -3813.12,3484.57 C11C.2@-3805.24,3484.57 -3797.37,3484.57 -3785.12,3472.32 -3785.12,3468.11 -3781.02,3464.01 -3760.52,3464.01 -3750.24,3474.29 R17C.1@-3750.24,3482.05
  Signal 1 w7: v1(-3965.74,3422.64) -3940.38,3448 -3940.38,3466.98 v1(-3940,3467.36)
ADC_IN2D_N: C10D.2 C11D.1 R14D.1 U2B.2 | length 662
  Top Layer w7: U2B.2@-4321.42,2461.89 -4310.81,2461.89 -4307.97,2459.05 -4225.95,2459.05 -4145.1,2539.9 -3885.73,2539.9 C10D.2@-3875.24,2529.41 -3867.37,2529.41 -3855.12,2541.66 -3855.12,2542.93 -3851.02,2547.04 -3845.87,2547.04 -3844.33,2545.5 -3829.46,2545.5 -3825.36,2541.4 -3825.36,2536.19 -3813.12,2523.94 C11D.1@-3805.24,2523.94 -3797.37,2523.94 -3785.12,2536.19 -3785.12,2540.4 -3781.02,2544.5 -3772.08,2544.5 -3760.52,2532.93 -3760.52,2521.82 R14D.1@-3750.24,2511.54
ADC_IN2D_P: C11D.2 C13D.1 R17D.1 U2B.1 | length 681.7
  Top Layer w7: U2B.1@-4321.42,2442.2 -4310.81,2442.2 -4307.97,2445.05 -4220.15,2445.05 -4139.3,2525.9 -3999.9,2525.9 -3991.54,2517.54 v1(-3990.56,2517.54) ; v1(-3950.25,2562.26) -3947.35,2562.26 -3943.2,2566.41 -3887.49,2566.41 C13D.1@-3875.24,2578.66 -3867.37,2578.66 -3855.12,2566.41 -3855.12,2565.14 -3851.02,2561.04 -3850.06,2561.04 -3848.06,2559.04 -3840.9,2559.04 -3839.36,2557.5 -3829.46,2557.5 -3825.36,2561.6 -3825.36,2566.81 -3813.12,2579.06 C11D.2@-3805.24,2579.06 -3797.37,2579.06 -3785.12,2566.81 -3785.12,2562.6 -3781.02,2558.5 -3760.52,2558.5 -3750.24,2568.78 R17D.1@-3750.24,2576.54
  Signal 1 w7: v1(-3990.56,2517.54) -3990.56,2519.75 -3950.25,2560.05 v1(-3950.25,2562.26)
ADC_IN2E_N: C10E.2 C11E.1 R14E.1 U2C.10 | length 841.8
  Top Layer w7: U2C.10@-4369.65,1758.54 -4369.65,1769.15 -4366.81,1772 -4366.81,1789.61 -4352.41,1804 -4214.2,1804 -4055.1,1644.9 -4042.55,1632.35 -3990.2,1580 -3980,1580 -3971.09,1588.91 v1(-3970,1588.91) ; v1(-3930,1544.19) -3928.34,1544.19 -3917.98,1554.55 -3897.73,1554.55 -3890.36,1547.17 -3882.48,1547.17 C10E.2@-3870.23,1534.92 -3862.36,1534.92 -3850.11,1547.17 -3850.11,1548.45 -3846.01,1552.55 -3840.86,1552.55 -3839.33,1551.01 -3824.46,1551.01 -3820.36,1546.91 -3820.36,1541.7 -3808.11,1529.45 C11E.1@-3800.23,1529.45 -3792.36,1529.45 -3780.11,1541.7 -3780.11,1545.91 -3776.01,1550.01 -3767.08,1550.01 -3755.51,1538.45 -3755.51,1527.33 R14E.1@-3745.23,1517.05
  Signal 1 w7: v1(-3970,1588.91) -3932.05,1550.96 -3932.05,1546.24 v1(-3930,1544.19)
ADC_IN2E_P: C11E.2 C13E.1 R17E.1 U2C.9 | length 781.7
  Top Layer w7: U2C.9@-4349.97,1758.54 -4349.97,1769.15 -4352.81,1772 -4352.81,1783.81 -4346.62,1790 -4220,1790 -4056.67,1626.67 -4048.35,1618.35 -3996.55,1566.55 -3894.46,1566.55 -3890.36,1570.65 -3890.36,1571.92 -3878.11,1584.17 C13E.1@-3870.23,1584.17 -3862.36,1584.17 -3850.11,1571.92 -3850.11,1570.65 -3846.01,1566.55 -3845.05,1566.55 -3843.05,1564.55 -3835.89,1564.55 -3834.36,1563.01 -3824.46,1563.01 -3820.36,1567.11 -3820.36,1572.32 -3808.11,1584.57 C11E.2@-3800.23,1584.57 -3792.36,1584.57 -3780.11,1572.32 -3780.11,1568.11 -3776.01,1564.01 -3755.51,1564.01 -3745.23,1574.29 R17E.1@-3745.23,1582.05